# KiCad board PC110.kicad_pcb (continued)
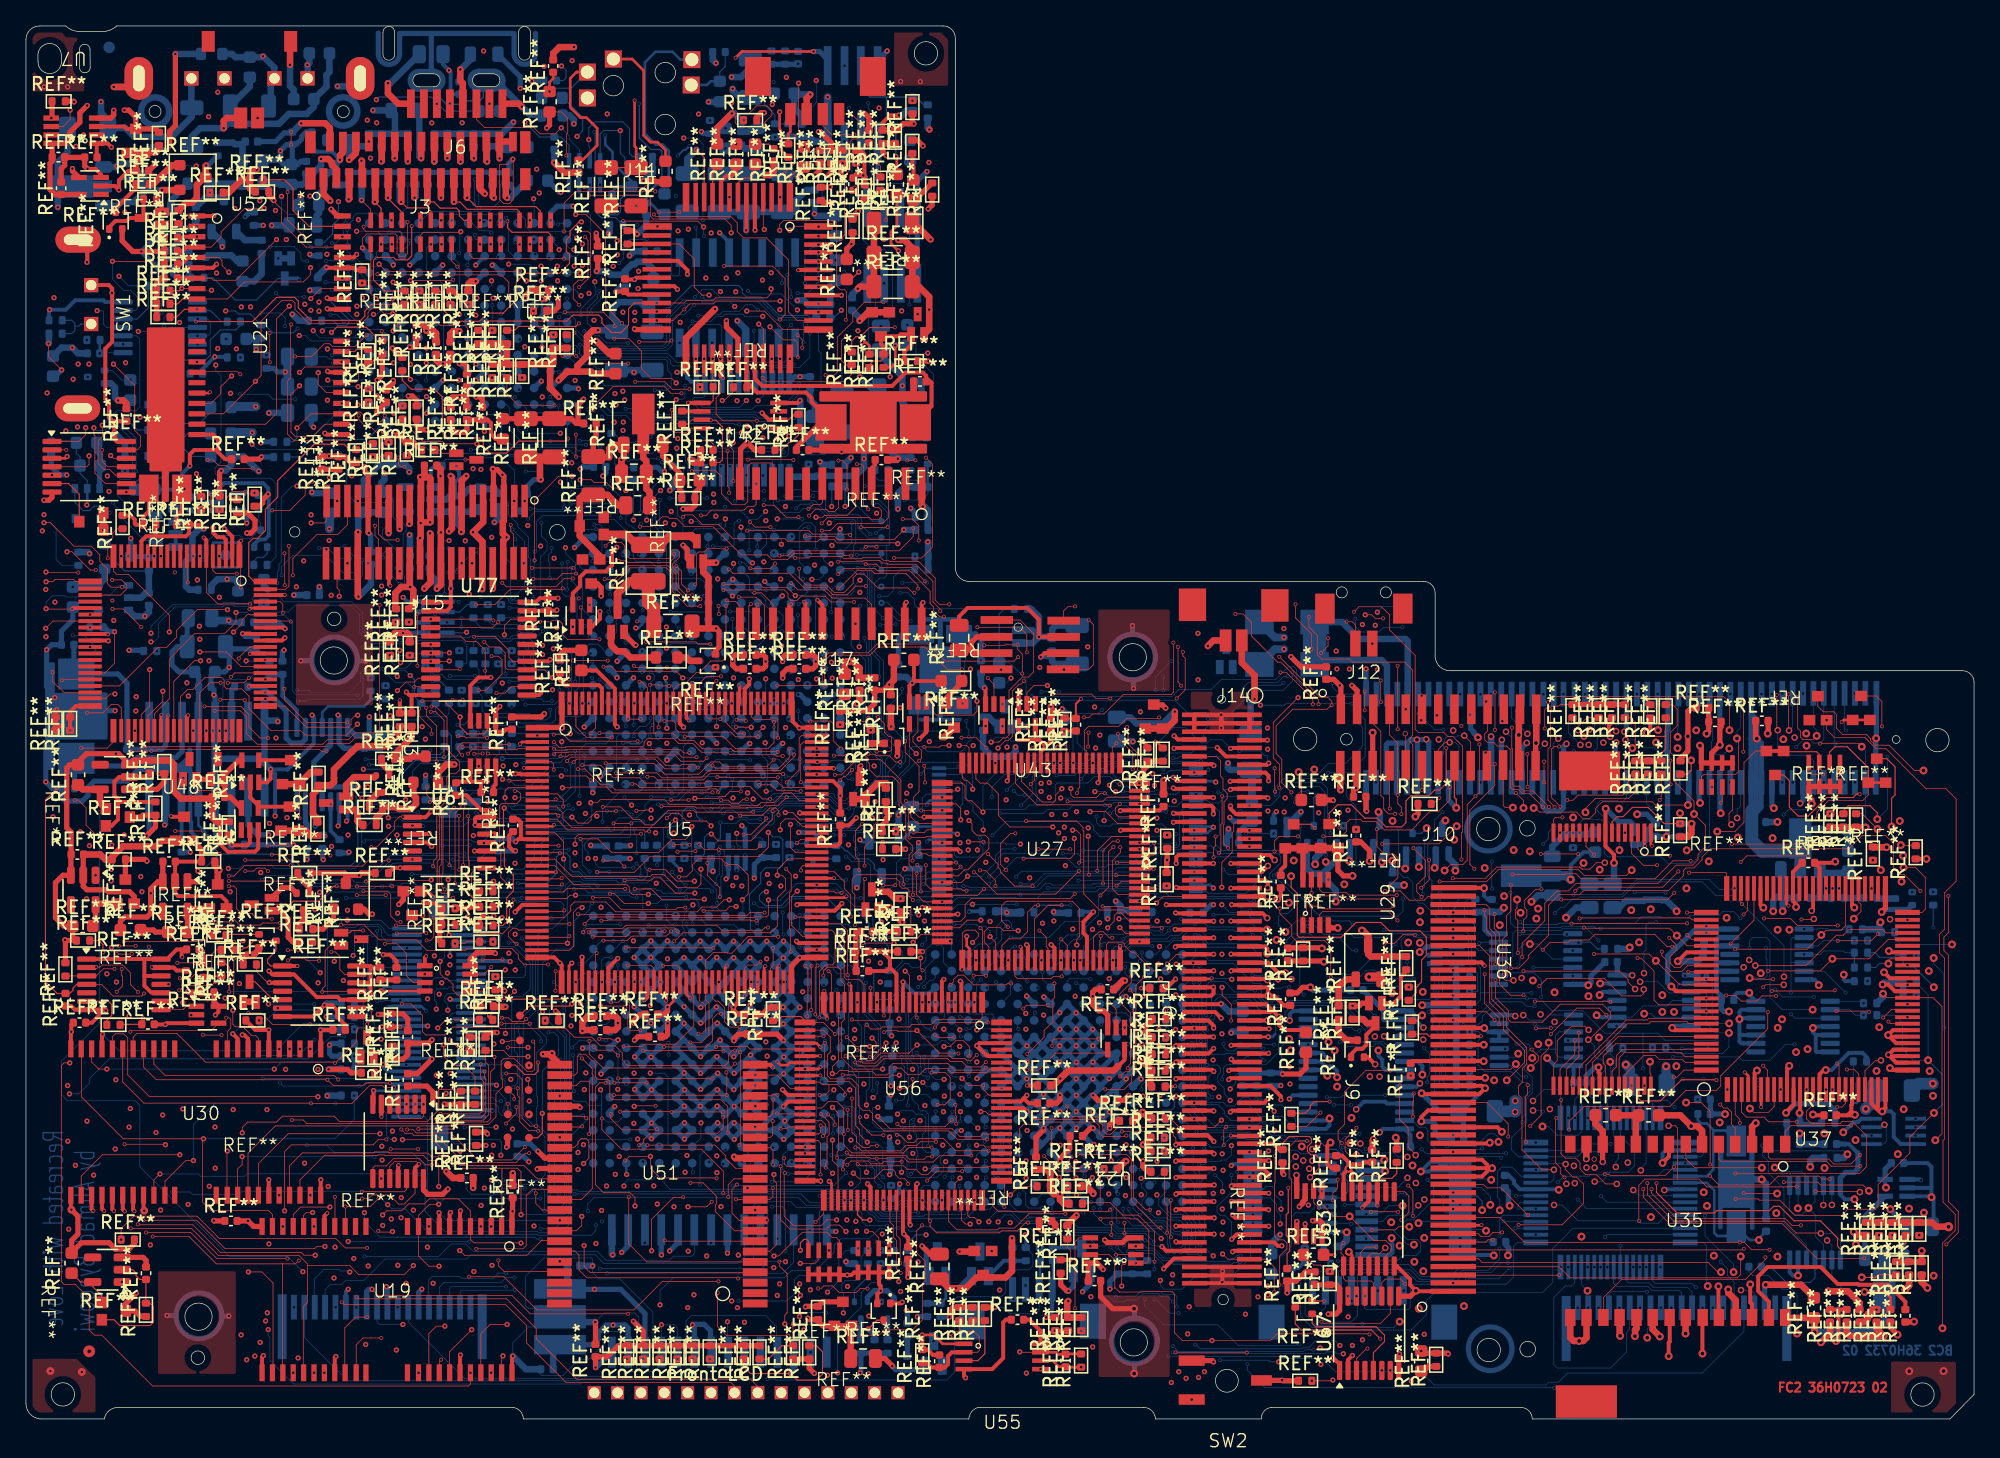
[diagram p0: board, top side]
## Placement (name value [footprint] x y rotation side) (continued)
REF**#309  -  [R_0402_1005Metric]  9.97 47.04 90 top
REF**#310  -  [R_0402_1005Metric]  31.53 86.41 90 top
REF**#311  -  [R_0402_1005Metric]  69.04 4.83 90 top
REF**#312  -  [R-array]  31.56 91.37 0 top
REF**#313  -  [C_0603_1608Metric]  4.37 37.99 0 top
REF**#314  -  [R_0402_1005Metric]  21.58 37.75 0 top
REF**#315  -  [R_0402_1005Metric]  66.48 45.28 0 top
REF**#316  -  [R_0402_1005Metric]  145.83 14.65 90 top
REF**#317  -  [C_1206_3216Metric]  43.69 72.69 90 top
REF**#318  -  [sso-8]  32.47 33.98 0 top
REF**#319  -  [C_0805_2012Metric]  64.48 4.66 0 top
REF**#320  -  [sso-8]  98.88 15.81 270 top
REF**#321  -  [soic-8-small]  55.03 77.3 180 top
REF**#322  -  [SOT-89-3]  47.55 77.01 90 top
REF**#323  -  [R_0402_1005Metric]  28.23 28.23 90 top
REF**#324  DNP  [C_0402_1005Metric]  52.44 73.71 0 top  (not fitted)
REF**#325  -  [C_0402_1005Metric]  80.07 4.5 90 top
REF**#326  -  [C_0402_1005Metric]  78.39 24.33 180 top
REF**#327  -  [C_0402_1005Metric]  39.76 87 0 top
REF**#328  -  [3D]  73.68 12.22 180 top
REF**#329  -  [R_0402_1005Metric]  28.98 81.29 90 top
REF**#330  -  [R_0402_1005Metric]  35.46 39.47 0 top
REF**#331  -  [3D]  138.07 54.58 0 top
REF**#332  -  [SOT-416]  21.34 39.87 270 top
REF**#333  -  [R_0402_1005Metric]  84.75 22.97 0 top
REF**#334  -  [R_0402_1005Metric]  47.54 5.13 90 top
REF**#335  -  [R-array]  130.22 49.55 0 top
REF**#336  -  [C_0402_1005Metric]  16.33 73.97 0 top
REF**#337  -  [R_0402_1005Metric]  3.04 34.64 90 top
REF**#338  -  [3D]  43.78 68.86 90 top
REF**#339  -  [R_0402_1005Metric]  28.5 61.92 90 top
REF**#340  DNP  [R_0402_1005Metric]  40.62 83.04 90 top  (not fitted)
REF**#341  -  [SOT-416L]  14.82 50.05 0 top
REF**#342  -  [R_0402_1005Metric]  10.58 85.94 0 top
REF**#343  -  [C_0402_1005Metric]  33.97 18.57 0 top
REF**#344  -  [R_0402_1005Metric]  69.8 94.74 90 top
REF**#345  -  [R_0402_1005Metric]  32.54 39.35 0 top
REF**#346  -  [SOT-416L]  33.9 73.87 270 top
REF**#347  -  [SOT-523]  27.47 48.93 270 top
REF**#348  -  [C_0402_1005Metric]  37.52 45.74 90 top
REF**#349  -  [R_0402_1005Metric]  35.49 31.81 0 top
REF**#350  -  [3D]  100.43 44.72 0 top
REF**#351  -  [R_0402_1005Metric]  2.28 53.57 90 top
REF**#352  -  [SOT-23]  30.79 50.05 90 top
REF**#353  -  [C_0402_1005Metric]  12.85 36.18 0 top
REF**#354  -  [C_0402_1005Metric]  44.04 89.91 90 top
REF**#355  -  [R_0402_1005Metric]  146.02 11.61 90 top
REF**#356  -  [C_0603_1608Metric]  42.78 58.46 90 top
REF**#357  -  [R_0402_1005Metric]  7.44 69.11 90 top
REF**#358  -  [R_0402_1005Metric]  66.06 81.55 90 top
REF**#359  -  [R_0402_1005Metric]  144.05 11.61 90 top
REF**#360  -  [C_0402_1005Metric]  78.53 15.25 180 top
REF**#361  -  [R_0402_1005Metric]  68.28 101.09 90 top
REF**#362  -  [R_0402_1005Metric]  9.24 8.41 90 top
REF**#363  -  [C_0603_1608Metric]  98.59 29.02 90 top
REF**#364  -  [C_0402_1005Metric]  64.2 56.64 90 top
REF**#365  -  [R_0402_1005Metric]  17.61 70.85 90 top
REF**#366  -  [XTAL-1]  65.26 76.7 0 top
REF**#367  -  [C_0402_1005Metric]  76.37 7.65 0 top
REF**#368  -  [R_0402_1005Metric]  25.42 74.19 90 top
REF**#369  -  [R_0402_1005Metric]  142.74 14.65 90 top
REF**#370  DNP  [R_0402_1005Metric]  34.83 83.38 90 top  (not fitted)
REF**#371  -  [R_0603_1608Metric]  49.35 58.68 0 top
REF**#372  -  [SOT-416]  12.99 34.56 180 top
REF**#373  -  [R_0402_1005Metric]  7.15 43.12 0 top
REF**#374  -  [C_0402_1005Metric]  2.5 97.24 0 top
REF**#375  -  [C_0603_1608Metric]  59.93 97.26 90 top
REF**#376  -  [R_0402_1005Metric]  34.08 86.41 90 top
REF**#377  -  [R_0402_1005Metric]  64.61 94.58 90 top
REF**#378  -  [C_0402_1005Metric]  44.24 29.97 0 top
REF**#379  -  [C_0402_1005Metric]  59.57 58.88 0 top
REF**#380  -  [R_0402_1005Metric]  63.67 91.94 90 top
REF**#381  -  [R_0402_1005Metric]  119.12 54.55 90 top
REF**#382  -  [C_0402_1005Metric]  33.96 77.49 90 top
REF**#383  -  [C_0402_1005Metric]  14 32.88 0 top
REF**#384  DNP  [R_0402_1005Metric]  41.65 83.04 90 top  (not fitted)
REF**#385  -  [C_0402_1005Metric]  130.09 53.73 0 top
REF**#386  -  [C_0402_1005Metric]  40.61 104.26 90 top
REF**#387  -  [SOT-416]  6.91 92.35 90 top
REF**#388  -  [R_0402_1005Metric]  87.56 51.2 90 top
REF**#389  -  [C_0805_2012Metric]  71.88 60.21 90 top
REF**#390  -  [R-array]  39.19 91.37 0 top
REF**#391  -  [R_0402_1005Metric]  145.56 43.67 90 top
REF**#392  -  [C_0603_1608Metric]  63.22 88.59 90 top
REF**#393  -  [R_0402_1005Metric]  4.4 36.87 0 top
REF**#394  -  [R_0402_1005Metric]  35.4 28.91 90 top
REF**#395  -  [C_0603_1608Metric]  45.4 81.33 90 top
REF**#396  -  [R_0402_1005Metric]  11.16 89.99 0 top
REF**#397  -  [SOT-416L]  12.65 50.05 0 top
REF**#398  -  [R_0402_1005Metric]  55.01 79.5 0 top
REF**#399  -  [R_0402_1005Metric]  125.11 54.54 90 top
REF**#400  -  [R_0402_1005Metric]  62.71 54.02 90 top
REF**#401  -  [C_0402_1005Metric]  33.96 80.05 90 top
REF**#402  -  [R_0402_1005Metric]  145.05 11.61 90 top
REF**#403  -  [R_0402_1005Metric]  10.65 50.25 90 top
REF**#404  -  [R_0402_1005Metric]  65.07 52.57 90 top
REF**#405  -  [R_0402_1005Metric]  36.16 33.58 90 top
REF**#406  -  [3D]  141.4 54.59 0 top
REF**#407  -  [SOT-23]  12.84 95.67 0 top
REF**#408  -  [C_0402_1005Metric]  143.61 7.95 90 top
REF**#409  -  [R_0402_1005Metric]  87.26 29.4 0 top
REF**#410  -  [R_0402_1005Metric]  96.79 20.25 90 top
REF**#411  -  [R_0402_1005Metric]  26.35 81.91 90 top
REF**#412  -  [C_0402_1005Metric]  141.23 7.95 90 top
REF**#413  -  [R_0402_1005Metric]  46.3 5.13 90 top
REF**#414  -  [SOT-353]  13.98 31.15 0 top
REF**#415  -  [R_0402_1005Metric]  10.58 86.94 0 top
REF**#416  -  [R_0402_1005Metric]  9.57 94 0 top
REF**#417  -  [R_0402_1005Metric]  87.17 21.67 0 top
REF**#418  -  [SOT-416L]  9.72 92.6 90 top
REF**#419  -  [SOT-416]  66.07 8.26 270 top
REF**#420  -  [3D]  62.97 7.9 0 top
REF**#421  -  [R_0402_1005Metric]  61.01 8.17 90 top
REF**#422  -  [C_0402_1005Metric]  138.96 7.95 90 top
REF**#423  -  [R_0402_1005Metric]  28.8 53.88 90 top
REF**#424  -  [R_0402_1005Metric]  14.68 94.5 0 top
REF**#425  -  [R_0402_1005Metric]  80.21 14.38 90 top
REF**#426  -  [C_0603_1608Metric]  54.7 97.47 90 top
REF**#427  -  [R_0402_1005Metric]  58.71 97.75 90 top
REF**#428  -  [SOT-416L]  68.73 84.34 0 top
REF**#429  -  [R_0402_1005Metric]  25.9 88.05 90 top
REF**#430  -  [R_0402_1005Metric]  144.79 14.65 90 top
REF**#431  -  [R_0402_1005Metric]  48.8 5.13 90 top
REF**#432  -  [C_0402_1005Metric]  65.37 56.64 90 top
REF**#433  -  [R_0402_1005Metric]  73.86 8.09 90 top
REF**#434  -  [C_0402_1005Metric]  83.3 33.1 180 top
REF**#435  -  [C_1206_3216Metric]  66.79 87.26 0 top
REF**#436  -  [TSOT-23]  103.38 35.19 90 top
REF**#437  -  [C_0402_1005Metric]  32.72 77.49 90 top
REF**#438  -  [C_0603_1608Metric]  11.7 37.52 0 top
REF**#439  -  [R_0402_1005Metric]  143.78 14.65 90 top
REF**#440  -  [R_0402_1005Metric]  105.58 20.28 90 top
REF**#441  -  [C_0402_1005Metric]  96.65 41.41 90 top
REF**#442  -  [R_1206_3216Metric]  66.78 92.17 0 top
REF**#443  -  [R_0402_1005Metric]  14.91 70.6 90 top
REF**#444  -  [R_0402_1005Metric]  66 98.81 90 top
REF**#445  -  [R_0402_1005Metric]  27.41 42.07 0 top
REF**#446  -  [C_0402_1005Metric]  35.14 77.49 90 top
REF**#447  -  [R_0402_1005Metric]  122.15 54.55 90 top
REF**#448  -  [R_0402_1005Metric]  28.03 59.36 90 top
REF**#449  -  [R_0805_2012Metric]  47.12 70.41 0 top
REF**#450  -  [C_0402_1005Metric]  11.03 42.95 0 top
REF**#451  -  [Diode]  97.11 61.36 0 bottom
REF**#452  -  [SOT-353]  15.51 70.66 0 bottom
REF**#453  -  [C_0402_1005Metric]  94.79 26.15 90 bottom
REF**#454  -  [SOT-353]  109.37 35.74 0 bottom
REF**#455  -  [R_0402_1005Metric]  83.8 39.21 180 bottom
REF**#456  -  [C_0402_1005Metric]  28.8 95.59 90 bottom
REF**#457  -  [R_0402_1005Metric]  52.69 99.56 90 bottom
REF**#458  -  [C_0402_1005Metric]  133.53 46 180 bottom
REF**#459  -  [R_0402_1005Metric]  68.97 71.82 180 bottom
REF**#460  -  [C_0603_1608Metric]  22.6 105.24 180 bottom
REF**#461  -  [R_0402_1005Metric]  30.77 58.43 90 bottom
REF**#462  -  [R_0402_1005Metric]  80.12 53.31 90 bottom
REF**#463  -  [R_0402_1005Metric]  61.95 85.37 90 bottom
REF**#464  -  [C_0603_1608Metric]  53.88 98.69 90 bottom
REF**#465  -  [C_0402_1005Metric]  13.78 56.42 180 bottom
REF**#466  -  [R_0402_1005Metric]  35.39 58.7 90 bottom
REF**#467  -  [Diode]  97.11 58.09 0 bottom
REF**#468  -  [C_0603_1608Metric]  17.24 104.17 90 bottom
REF**#469  -  [R_0402_1005Metric]  30.45 55.65 90 bottom
REF**#470  -  [C_0402_1005Metric]  40.13 3.83 180 bottom
REF**#471  TSOT-23  [TSOT-23#2]  73.48 11.9 180 bottom
REF**#472  -  [R_0402_1005Metric]  62.58 71.87 180 bottom
REF**#473  -  [C_0402_1005Metric]  13.12 80.56 180 bottom
REF**#474  -  [R_0402_1005Metric]  31.55 55.65 90 bottom
REF**#475  -  [C_0402_1005Metric]  34.5 98.56 90 bottom
REF**#476  -  [R_0402_1005Metric]  141.66 14.69 90 bottom
REF**#477  -  [C_0402_1005Metric]  47.77 97.27 180 bottom
REF**#478  -  [R_0402_1005Metric]  18.75 57.89 90 bottom
REF**#479  -  [L_0603_1608Metric]  48.33 87.1 90 bottom
REF**#480  -  [R_0805_2012Metric]  31.21 105.17 180 bottom
REF**#481  -  [R_0402_1005Metric]  16.58 56.43 180 bottom
REF**#482  -  [R_0402_1005Metric]  13.02 70.54 90 bottom
REF**#483  -  [C_0402_1005Metric]  45.66 43.68 90 bottom
REF**#484  -  [L_0603_1608Metric]  46.65 94.2 90 bottom
REF**#485  -  [R_0402_1005Metric]  111.64 39.55 90 bottom
REF**#486  -  [R_0603_1608Metric]  14.3 105.19 180 bottom
REF**#487  -  [R_0402_1005Metric]  37.41 55.65 90 bottom
REF**#488  -  [SOT-89-3]  136.67 44.29 90 bottom
REF**#489  -  [R_0402_1005Metric]  5.2 83.15 180 bottom
REF**#490  -  [R_0402_1005Metric]  67.89 6.87 90 bottom
REF**#491  -  [XTAL-5]  131.74 18.02 180 bottom
REF**#492  -  [R_0402_1005Metric]  10.26 80.34 180 bottom
REF**#493  -  [R_0603_1608Metric]  13.28 95.2 180 bottom
REF**#494  -  [R_0402_1005Metric]  66.86 12.47 90 bottom
REF**#495  -  [L_0603_1608Metric]  37.88 98.01 180 bottom
REF**#496  -  [C_0402_1005Metric]  22.48 87.46 270 bottom
REF**#497  -  [R_0402_1005Metric]  13.76 63.9 180 bottom
REF**#498  -  [R_0402_1005Metric]  67.89 4.31 90 bottom
REF**#499  DNP  [R_0402_1005Metric]  125.79 28.62 180 bottom
REF**#500  -  [R_0402_1005Metric]  122.09 36.22 180 bottom
REF**#501  -  [R_0402_1005Metric]  98.5 12.64 90 bottom
REF**#502  SOT-23  [SOT-23#2]  33.42 47.57 0 bottom
REF**#503  DNP  [C_0402_1005Metric]  47.78 93.23 90 bottom
REF**#504  -  [C_0402_1005Metric]  60.28 73.09 90 bottom
REF**#505  -  [C_0402_1005Metric]  35.9 95.54 270 bottom
REF**#506  -  [R_0402_1005Metric]  65.36 5.58 90 bottom
REF**#507  -  [C_0402_1005Metric]  60.4 79.84 270 bottom
REF**#508  -  [C_0603_1608Metric]  62.37 88.53 90 bottom
REF**#509  -  [C_0402_1005Metric]  113.91 18.29 270 bottom
REF**#510  -  [R_0402_1005Metric]  141.34 35.93 180 bottom
REF**#511  -  [R_0402_1005Metric]  47.32 73.33 180 bottom
REF**#512  -  [C_0603_1608Metric]  26.03 70.65 90 bottom
REF**#513  -  [R_0402_1005Metric]  84.06 11.69 90 bottom
REF**#514  -  [R_0402_1005Metric]  77.01 12.7 90 bottom
REF**#515  -  [R_0402_1005Metric]  55.08 98.69 90 bottom
REF**#516  -  [C_0402_1005Metric]  136.12 21.18 180 bottom
REF**#517  -  [C_0603_1608Metric]  16.19 83.23 180 bottom
REF**#518  -  [C_0402_1005Metric]  21.58 96.43 90 bottom
REF**#519  -  [R_0402_1005Metric]  69.42 8.4 90 bottom
REF**#520  -  [C_0402_1005Metric]  80.78 39 180 bottom
REF**#521  -  [R_0402_1005Metric]  67.21 45.23 90 bottom
REF**#522  -  [R_0402_1005Metric]  66.64 17.49 90 bottom
REF**#523  -  [R_0402_1005Metric]  18.52 81.47 270 bottom
REF**#524  -  [SOT-416L]  10.78 67.65 270 bottom
REF**#525  -  [C_0402_1005Metric]  35.53 98.56 90 bottom
REF**#526  -  [SOT-416]  10.78 89.37 90 bottom
REF**#527  DNP  [R_0402_1005Metric]  24.79 30.98 180 bottom  (not fitted)
REF**#528  -  [R_0402_1005Metric]  62.58 73.53 180 bottom
REF**#529  -  [C_0402_1005Metric]  65.9 77.11 180 bottom
REF**#530  -  [C_0402_1005Metric]  79.04 59.66 270 bottom
REF**#531  -  [R_0402_1005Metric]  36.59 62.25 90 bottom
REF**#532  -  [TSOT-23]  64.96 43.16 90 bottom
REF**#533  -  [C_0402_1005Metric]  105.27 41.61 90 bottom
REF**#534  -  [R_0402_1005Metric]  58.71 99.3 90 bottom
REF**#535  -  [R_0402_1005Metric]  64.31 5.58 90 bottom
REF**#536  -  [R_0805_2012Metric]  21.06 77.53 180 bottom
REF**#537  -  [R_0402_1005Metric]  9.93 87.32 180 bottom
REF**#538  -  [R_0402_1005Metric]  90.16 39 180 bottom
REF**#539  -  [R_0402_1005Metric]  50.72 43.7 90 bottom
REF**#540  -  [C_0402_1005Metric]  32.99 95.59 90 bottom
REF**#541  -  [R_0402_1005Metric]  66.47 23.6 90 bottom
REF**#542  -  [C_1206_3216Metric]  48.22 82.3 90 bottom
REF**#543  -  [R_0402_1005Metric]  21.65 44.48 90 bottom
REF**#544  -  [C_0402_1005Metric]  28.41 98.56 90 bottom
REF**#545  -  [R_0402_1005Metric]  24.79 24.92 180 bottom
REF**#546  DNP  [R_0402_1005Metric]  141.34 36.87 180 bottom
REF**#547  -  [L_0603_1608Metric]  24.03 98.55 180 bottom
REF**#548  -  [R_0402_1005Metric]  24.79 26.94 180 bottom
REF**#549  -  [R_0402_1005Metric]  69.46 100.76 90 bottom
REF**#550  -  [C_0805_2012Metric]  145.9 14.81 180 bottom
REF**#551  -  [R_0402_1005Metric]  62.42 43.68 90 bottom
REF**#552  -  [R_0402_1005Metric]  57.77 43.77 90 bottom
REF**#553  -  [C_0603_1608Metric]  120.87 44.46 270 bottom
REF**#554  -  [R_0402_1005Metric]  110.68 27.82 180 bottom
REF**#555  -  [R_0402_1005Metric]  64.84 12.47 90 bottom
REF**#556  -  [C_0402_1005Metric]  122.09 35.21 0 bottom
REF**#557  -  [D_0603_1608Metric]  9.16 71.62 180 bottom
REF**#558  -  [R_0402_1005Metric]  60.87 85.37 270 bottom
REF**#559  -  [R_0402_1005Metric]  33.39 52.32 90 bottom
REF**#560  -  [R_0402_1005Metric]  13.21 87.94 180 bottom
REF**#561  -  [C_0603_1608Metric]  3.61 63.34 270 bottom
REF**#562  -  [R_0402_1005Metric]  68.98 65.47 180 bottom
REF**#563  -  [R_0402_1005Metric]  58.81 43.77 90 bottom
REF**#564  -  [R_0402_1005Metric]  110.68 28.83 180 bottom
REF**#565  -  [C_1206_3216Metric]  13.89 59.52 180 bottom
REF**#566  -  [R_0402_1005Metric]  145.09 33.61 180 bottom
REF**#567  -  [SOT-416L]  10.47 76.16 270 bottom
REF**#568  -  [C_0603_1608Metric]  93.71 30.62 270 bottom
REF**#569  -  [R_0402_1005Metric]  7.63 73.57 90 bottom
REF**#570  -  [SOT-416L]  10.46 74.16 270 bottom
REF**#571  DNP  [R_0805_2012Metric]  122.21 40.31 90 bottom
REF**#572  -  [C_0402_1005Metric]  26.57 66.34 270 bottom
REF**#573  -  [R_0402_1005Metric]  1.95 74.86 270 bottom
REF**#574  -  [R_0402_1005Metric]  18.06 65.81 180 bottom
REF**#575  -  [C_0402_1005Metric]  7.78 51.13 90 bottom
REF**#576  -  [L_0603_1608Metric]  49.18 93.62 90 bottom
REF**#577  -  [R_0402_1005Metric]  79.1 12.7 90 bottom
REF**#578  -  [R_0402_1005Metric]  30.78 48.22 90 bottom
REF**#579  -  [R_0402_1005Metric]  110.68 29.84 180 bottom
REF**#580  -  [C_0402_1005Metric]  36.39 44.25 90 bottom
REF**#581  DNP  [C_0402_1005Metric]  129.25 24.63 180 bottom
REF**#582  -  [R_0402_1005Metric]  49.85 72.87 90 bottom
REF**#583  -  [R_0402_1005Metric]  17.55 92.49 270 bottom
REF**#584  -  [R_0402_1005Metric]  142.05 32.04 180 bottom
REF**#585  -  [R_0402_1005Metric]  37.42 52.32 90 bottom
REF**#586  -  [R_0402_1005Metric]  19.59 74.13 180 bottom
REF**#587  -  [C_0402_1005Metric]  123.85 44.74 90 bottom
REF**#588  -  [C_0402_1005Metric]  47.77 96.26 180 bottom
REF**#589  -  [SOT-416L]  19.98 88.69 0 bottom
REF**#590  -  [R_1206_3216Metric_Pad1.30x1.75mm_HandSolder]  4.75 99.49 180 bottom
REF**#591  -  [R_0402_1005Metric]  4.04 66.29 270 bottom
REF**#592  -  [D_0603_1608Metric]  15.02 74.18 180 bottom
REF**#593  DNP  [R_0402_1005Metric]  145.09 35.71 180 bottom
REF**#594  -  [SOT-23]  9.91 96.82 90 bottom
REF**#595  -  [R_0402_1005Metric]  68.76 42.91 90 bottom
REF**#596  -  [C_0402_1005Metric]  112.91 39.55 90 bottom
REF**#597  DNP  [C_0402_1005Metric]  45.14 93.91 90 bottom
REF**#598  -  [C_0603_1608Metric]  20.44 95.9 90 bottom
REF**#599  -  [R_0402_1005Metric]  52.76 43.7 90 bottom
REF**#600  -  [C_0402_1005Metric]  13.08 92.89 270 bottom
REF**#601  -  [C_0402_1005Metric]  37.2 95.56 270 bottom
REF**#602  -  [SOT-523]  66.38 8.38 270 bottom
REF**#603  TSOT-23  [TSOT-23#2]  70.2 11.92 180 bottom
REF**#604  -  [C_0603_1608Metric]  94.43 46.83 90 bottom
REF**#605  -  [SOT-523]  64.31 8.38 270 bottom
REF**#606  DNP  [R_0402_1005Metric]  33.05 70.62 90 bottom  (not fitted)
REF**#607  -  [TSOT-23]  15.25 92.82 90 bottom
REF**#608  -  [R_0402_1005Metric]  110.68 32.94 180 bottom
REF**#609  -  [R_0402_1005Metric]  24.79 28.93 180 bottom
REF**#610  -  [R_0402_1005Metric]  77.13 39.04 180 bottom
REF**#611  -  [R_0402_1005Metric]  22.85 44.48 90 bottom
REF**#612  -  [SOT-416L]  10.77 69.6 270 bottom
REF**#613  -  [SOT-416]  18.08 67.84 90 bottom
REF**#614  -  [C_0402_1005Metric]  26.07 52.17 90 bottom
REF**#615  -  [SOT-23]  7.06 66.46 0 bottom
REF**#616  -  [R_0402_1005Metric]  68.98 68.52 180 bottom
REF**#617  -  [R_0805_2012Metric]  120.43 40.32 90 bottom
REF**#618  -  [C_0603_1608Metric]  74.96 57.5 90 bottom
REF**#619  -  [R_0402_1005Metric]  66.74 27.46 90 bottom
REF**#620  DNP  [R_0402_1005Metric]  141.34 34.79 180 bottom
REF**#621  -  [D_0603_1608Metric]  17.47 96.99 0 bottom
REF**#622  -  [TSOP-5_1.65x3.05mm_P0.95mm]  6.73 63.29 180 bottom
REF**#623  -  [C_0603_1608Metric]  2.08 81.13 270 bottom
REF**#624  -  [R_0402_1005Metric]  11.99 44.2 270 bottom
REF**#625  -  [R_0402_1005Metric]  2.29 84.67 180 bottom
REF**#626  -  [R_0402_1005Metric]  57.42 104.91 90 bottom
REF**#627  -  [R_0402_1005Metric]  19.75 57.89 90 bottom
REF**#628  -  [R_0402_1005Metric]  68.98 66.45 180 bottom
REF**#629  -  [R_0402_1005Metric]  31.82 58.43 90 bottom
REF**#630  -  [SOT-416]  101.47 45.06 90 bottom
REF**#631  -  [C_0603_1608Metric]  140.35 42.99 90 bottom
REF**#632  -  [C_0402_1005Metric]  24.85 95.59 90 bottom
REF**#633  -  [R_0402_1005Metric]  136.13 22.81 180 bottom
REF**#634  -  [R_0402_1005Metric]  97.53 11.13 90 bottom
REF**#635  -  [R_0402_1005Metric]  49.72 43.7 90 bottom
REF**#636  -  [R-array]  43.05 95.96 180 bottom
REF**#637  -  [TSOP-5_1.65x3.05mm_P0.95mm]  4.72 70.54 270 bottom
REF**#638  -  [C_0603_1608Metric]  67.89 83.54 90 bottom
REF**#639  DNP  [R_0402_1005Metric]  24.79 30.02 180 bottom  (not fitted)
REF**#640  -  [C_0603_1608Metric]  21.4 101.71 180 bottom
REF**#641  -  [SOT-23]  17.33 63.78 180 bottom
REF**#642  -  [C_0402_1005Metric]  33.38 102.58 270 bottom
REF**#643  -  [C_0402_1005Metric]  106.16 20.98 180 bottom
REF**#644  -  [C_0402_1005Metric]  17.71 59.82 90 bottom
REF**#645  -  [C_0402_1005Metric]  27.37 98.56 90 bottom
REF**#646  -  [C_0402_1005Metric]  9.47 63.17 90 bottom
REF**#647  -  [R_0402_1005Metric]  37.41 58.7 90 bottom
REF**#648  -  [R_0402_1005Metric]  47.32 72.36 180 bottom
REF**#649  -  [C_0402_1005Metric]  20.51 98.69 90 bottom
REF**#650  -  [D_0603_1608Metric]  15.02 75.95 180 bottom
REF**#651  -  [R_0402_1005Metric]  122.49 28.57 180 bottom
REF**#652  -  [R_0402_1005Metric]  141.26 27.55 180 bottom
REF**#653  -  [C_0603_1608Metric]  4.94 73.47 180 bottom
REF**#654  -  [C_0402_1005Metric]  110.26 21.66 180 bottom
REF**#655  -  [R_0402_1005Metric]  146.9 40.11 90 bottom
REF**#656  -  [C_0402_1005Metric]  138.98 21.18 180 bottom
REF**#657  -  [SOT-416]  5.41 80.3 180 bottom
REF**#658  -  [C_0402_1005Metric]  22.01 98.7 90 bottom
REF**#659  -  [L_0805_2012Metric]  21.33 92.02 180 bottom
REF**#660  -  [C_0402_1005Metric]  33.99 95.59 90 bottom
REF**#661  -  [C_0402_1005Metric]  46.13 87.7 90 bottom
REF**#662  -  [C_0402_1005Metric]  65.91 76.15 180 bottom
REF**#663  -  [R_0402_1005Metric]  78.1 12.7 90 bottom
REF**#664  -  [R_0402_1005Metric]  141.34 33.74 180 bottom
REF**#665  -  [R_0805_2012Metric]  65.85 83.3 270 bottom
REF**#666  -  [R_0805_2012Metric]  21.06 81.86 180 bottom
REF**#667  -  [C_0402_1005Metric]  22.12 63.49 180 bottom
REF**#668  -  [R_0402_1005Metric]  110.68 31.95 180 bottom
REF**#669  -  [C_1206_3216Metric]  50.94 94.49 90 bottom
REF**#670  -  [C_0402_1005Metric]  119.69 25.93 180 bottom
REF**#671  -  [R_0402_1005Metric]  96.61 46.1 180 bottom
REF**#672  -  [L_0603_1608Metric]  40.51 101.81 180 bottom
REF**#673  -  [R_0402_1005Metric]  74.17 39.12 180 bottom
REF**#674  -  [R_0402_1005Metric]  68.82 75.66 180 bottom
REF**#675  -  [SOT-416L]  75.34 54.11 180 bottom
REF**#676  -  [R_0402_1005Metric]  110.68 34.05 180 bottom
REF**#677  -  [D_0603_1608Metric]  15.02 77.97 180 bottom
REF**#678  -  [C_0402_1005Metric]  29.58 66.04 270 bottom
REF**#679  -  [R_1206_3216Metric]  58.25 94.48 90 bottom
REF**#680  -  [L_0603_1608Metric]  53.44 102.3 90 bottom
REF**#681  -  [R_0402_1005Metric]  58.47 104.91 90 bottom
REF**#682  -  [C_0402_1005Metric]  93.71 26.15 270 bottom
REF**#683  -  [R_0402_1005Metric]  34.44 52.32 90 bottom
REF**#684  -  [R_0402_1005Metric]  86.36 11.69 90 bottom
REF**#685  -  [R_0402_1005Metric]  51.77 43.7 270 bottom
REF**#686  -  [R_0402_1005Metric]  138.82 22.81 180 bottom
REF**#687  -  [C_0603_1608Metric]  68.1 97.78 90 bottom
REF**#688  -  [C_0402_1005Metric]  125.57 45.38 90 bottom
REF**#689  -  [C_0603_1608Metric]  56.42 98.69 90 bottom
REF**#690  -  [L_0402_1005Metric]  17.37 98.44 180 bottom
REF**#691  -  [C_0603_1608Metric]  23.38 70.57 90 bottom
REF**#692  -  [SOT-416]  100.48 12.64 270 bottom
REF**#693  -  [SOT-416L]  11.12 92.48 180 bottom
REF**#694  -  [R_0402_1005Metric]  22.55 90.16 270 bottom
REF**#695  -  [C_0402_1005Metric]  129.24 37.13 270 bottom
REF**#696  -  [C_0402_1005Metric]  26.4 98.56 90 bottom
REF**#697  -  [C_0402_1005Metric]  25.86 95.59 90 bottom
REF**#698  -  [D_0603_1608Metric]  4.67 75.23 0 bottom
REF**#699  -  [R_0402_1005Metric]  66.37 5.58 90 bottom
REF**#700  3D  [SOT-416L]  92.4 58.69 180 bottom
REF**#701  -  [C_0402_1005Metric]  13.82 44.31 90 bottom
REF**#702  -  [C_0603_1608Metric]  21.78 93.54 180 bottom
REF**#703  -  [R_0402_1005Metric]  142.09 40.15 180 bottom
REF**#704  -  [C_0603_1608Metric]  62.36 91.94 90 bottom
REF**#705  -  [R_0402_1005Metric]  65.9 73.12 180 bottom
REF**#706  -  [SOT-416]  104.28 45.06 90 bottom
REF**#707  -  [R_0402_1005Metric]  5.42 61.01 180 bottom
REF**#708  -  [R_0402_1005Metric]  110.68 26.79 180 bottom
REF**#709  -  [R_0402_1005Metric]  35.45 52.32 90 bottom
REF**#710  -  [R_0402_1005Metric]  66.52 31.03 90 bottom
REF**#711  -  [C_0402_1005Metric]  113.5 13.64 180 bottom
REF**#712  -  [R_0402_1005Metric]  45.09 75.43 90 bottom
REF**#713  -  [R_0402_1005Metric]  34.47 58.7 90 bottom
REF**#714  -  [L_0805_2012Metric]  29.2 100.84 180 bottom
REF**#715  -  [R_0402_1005Metric]  16.01 81.8 180 bottom
REF**#716  -  [R_0402_1005Metric]  138.99 20.12 180 bottom
REF**#717  -  [R_0402_1005Metric]  32.23 52.32 90 bottom
REF**#718  -  [C_0402_1005Metric]  44.68 43.68 90 bottom
REF**#719  -  [C_1206_3216Metric]  45.49 82.31 90 bottom
REF**#720  -  [R_0402_1005Metric]  22.27 84.63 180 bottom
REF**#721  -  [SOT-416]  38.14 70.63 270 bottom
REF**#722  -  [C_0402_1005Metric]  42.17 11.81 180 bottom
REF**#723  -  [R_0402_1005Metric]  67.89 12.47 90 bottom
REF**#724  -  [C_0402_1005Metric]  31.08 66.04 270 bottom
REF**#725  -  [C_0402_1005Metric]  44.19 73.37 180 bottom
REF**#726  DNP  [R_0402_1005Metric]  143.43 37.51 180 bottom
REF**#727  -  [R_0402_1005Metric]  68.82 76.64 180 bottom
REF**#728  DNP  [C_0402_1005Metric]  3.26 48.6 180 bottom  (not fitted)
REF**#729  -  [R_0402_1005Metric]  139.55 40.15 180 bottom
REF**#730  -  [C_1206_3216Metric]  12.77 99.57 90 bottom
REF**#731  -  [C_0402_1005Metric]  32.48 98.56 90 bottom
REF**#732  -  [SOT-23-5]  30.35 70.86 180 bottom
REF**#733  -  [SOT-89-3]  143.14 10.48 270 bottom
REF**#734  -  [C_0402_1005Metric]  59.74 99.3 90 bottom
REF**#735  -  [C_0402_1005Metric]  66.59 20.34 90 bottom
REF**#736  -  [C_0402_1005Metric]  60.75 94.23 90 bottom
REF**#737  -  [C_0402_1005Metric]  33.49 98.56 90 bottom
REF**#738  -  [C_1206_3216Metric]  55.64 94.48 90 bottom
REF**#739  -  [R_0805_2012Metric]  21.06 79.56 180 bottom
REF**#740  -  [R_0805_2012Metric]  60.77 76.35 270 bottom
REF**#741  -  [R_0402_1005Metric]  18.11 83.8 270 bottom
REF**#742  -  [C_0402_1005Metric]  27.21 52.17 90 bottom
REF**#743  -  [C_0402_1005Metric]  17.07 61.39 180 bottom
REF**#744  -  [L_0805_2012Metric]  35.29 105.17 180 bottom
REF**#745  -  [R_0402_1005Metric]  36.44 70.82 90 bottom
REF**#746  -  [SOT-523]  60.62 43.69 270 bottom
REF**#747  -  [R_0402_1005Metric]  24.15 44.13 90 bottom
REF**#748  -  [C_0603_1608Metric]  8.03 79.29 270 bottom
REF**#749  -  [SOT-416L]  10.47 78.11 270 bottom
REF**#750  -  [R_0402_1005Metric]  27.7 56 90 bottom
REF**#751  -  [L_0603_1608Metric]  17.47 95.2 180 bottom
REF**#752  -  [R_0402_1005Metric]  16.01 84.56 180 bottom
REF**#753  DNP  [R_0402_1005Metric]  85.22 11.69 90 bottom
REF**#754  -  [C_0402_1005Metric]  127.43 45.38 90 bottom
REF**#755  -  [C_1206_3216Metric]  17.21 101.18 180 bottom
REF**#756  -  [R_0402_1005Metric]  14.76 97.85 90 bottom
REF**#757  DNP  [SOT-416]  144.64 40.1 180 bottom
REF**#758  -  [C_0402_1005Metric]  102.51 33.05 180 bottom
REF**#759  -  [D_0603_1608Metric]  16.68 88.45 90 bottom
REF**#760  DNP  [R_0402_1005Metric]  63.81 12.47 90 bottom  (not fitted)
REF**#761  -  [C_0603_1608Metric]  13.77 57.57 180 bottom
REF**#762  -  [R_0402_1005Metric]  34.63 55.65 90 bottom
REF**#763  -  [C_0402_1005Metric]  73.56 57.95 90 bottom
REF**#764  -  [R_0402_1005Metric]  23.88 95.58 90 bottom
REF**#765  -  [C_0402_1005Metric]  92.94 44.41 180 bottom
REF**#766  -  [SOT-89-3]  4.03 94.98 180 bottom
REF**#767  -  [R_0402_1005Metric]  47.66 43.7 90 bottom
REF**#768  -  [R_0402_1005Metric]  18.15 90.33 270 bottom
REF**#769  -  [R_0402_1005Metric]  48.6 43.7 90 bottom
REF**#770  -  [R_0402_1005Metric]  76.64 62.43 0 bottom
REF**#771  -  [R_0402_1005Metric]  35.57 62.25 90 bottom
REF**#772  -  [C_0402_1005Metric]  40.7 98.31 270 bottom
REF**#773  -  [C_0402_1005Metric]  30.02 95.59 90 bottom
REF**#774  -  [SOT-416]  68.8 73.6 0 bottom
REF**#775  -  [C_0603_1608Metric]  27.36 70.65 90 bottom
REF**#776  -  [C_0402_1005Metric]  40.38 103.14 180 bottom
REF**#777  -  [L_0603_1608Metric]  39.41 95.43 180 bottom
REF**#778  -  [R_0402_1005Metric]  110.68 30.97 180 bottom
REF**#779  -  [R_0402_1005Metric]  24.79 32.06 180 bottom
REF**#780  -  [R_0402_1005Metric]  34.47 62.25 90 bottom
REF**#781  -  [C_0402_1005Metric]  30.95 95.59 90 bottom
REF**#782  -  [C_0402_1005Metric]  59.47 104.91 90 bottom
REF**#783  DNP  [R_0402_1005Metric]  26.54 56.61 90 bottom  (not fitted)
REF**#784  -  [C_0402_1005Metric]  29.41 98.56 90 bottom
REF**#785  TSOT-23  [TSOT-23#2]  69.92 5 180 bottom
REF**#786  -  [C_0402_1005Metric]  134.03 14.95 270 bottom
REF**#787  -  [C_1206_3216Metric]  62.85 77.54 270 bottom
REF**#788  DNP  [C_0402_1005Metric]  53.38 105.34 180 bottom
REF**#789  -  [R_0402_1005Metric]  33.38 58.7 90 bottom
REF**#790  -  [R_0402_1005Metric]  96.61 45.11 180 bottom
REF**#791  -  [R_0402_1005Metric]  32.57 73.44 180 bottom
REF**#792  -  [C_0402_1005Metric]  31.95 95.59 90 bottom
REF**#793  -  [SOT-353]  144.05 17.81 180 bottom
REF**#794  -  [R_0402_1005Metric]  70.45 8.4 90 bottom
REF**#795  -  [R-array]  31.43 61.76 90 bottom
REF**#796  -  [R_0402_1005Metric]  17.93 70.67 90 bottom
REF**#797  -  [R_0402_1005Metric]  33.56 55.65 90 bottom
REF**#798  -  [L_0603_1608Metric]  35.69 100.79 180 bottom
REF**#799  -  [R_0402_1005Metric]  142.05 31.12 180 bottom
REF**#800  -  [R_0402_1005Metric]  136.93 40.15 180 bottom
REF**#801  -  [R_0603_1608Metric]  40.51 100.45 180 bottom
REF**#802  -  [SOT-416]  106.8 44.48 90 bottom
REF**#803  -  [C_0402_1005Metric]  27.87 95.59 90 bottom
REF**#804  -  [C_0603_1608Metric]  95.92 11.96 270 bottom
REF**#805  -  [C_0402_1005Metric]  63.63 85.92 90 bottom
REF**#806  -  [R_0402_1005Metric]  65.84 12.47 90 bottom
REF**#807  -  [SOT-353]  54.75 43.69 90 bottom
REF**#808  DNP  [C_0402_1005Metric]  3.21 59.66 0 bottom  (not fitted)
REF**#809  -  [C_0402_1005Metric]  68.98 69.51 180 bottom
REF**#810  -  [R_0402_1005Metric]  9.57 59.18 180 bottom
REF**#811  -  [C_0402_1005Metric]  129.26 23.5 180 bottom
REF**#812  -  [R_0402_1005Metric]  86.22 39.08 180 bottom
REF**#813  -  [Debug-6]  65.84 66.04 180 bottom
REF**#814  -  [R_0402_1005Metric]  19.59 75.3 180 bottom
REF**#815  DNP  [R_0402_1005Metric]  140.94 37.73 180 bottom
REF**#816  -  [R_0402_1005Metric]  110.68 25.72 180 bottom
REF**#817  -  [R_0402_1005Metric]  36.45 52.32 90 bottom
REF**#818  -  [R_0805_2012Metric]  13.41 61.71 180 bottom
REF**#819  -  [C_0402_1005Metric]  133.19 11.73 180 bottom
REF**#820  DNP  [R_0402_1005Metric]  24.79 27.96 180 bottom  (not fitted)
REF**#821  TSOT-23  [TSOT-23#2]  81.32 12.14 180 bottom
REF**#822  -  [C_1206_3216Metric]  53.4 94.48 90 bottom
REF**#823  SN74LVC2G32  [SSOP-8_2.95x2.8mm_P0.65mm]  143.85 22.16 180 bottom
REF**#824  -  [C_0402_1005Metric]  5.2 82.12 180 bottom
REF**#825  -  [R_0402_1005Metric]  73.72 53.59 90 bottom
REF**#826  -  [C_0402_1005Metric]  31.46 98.56 90 bottom
REF**#827  -  [C_0402_1005Metric]  48.13 89.98 180 bottom
REF**#828  -  [R_0402_1005Metric]  145.09 32.63 180 bottom
REF**#829  -  [SOT-416L]  75.76 60.24 270 bottom
REF**#830  -  [C_0402_1005Metric]  131.07 32.28 180 bottom
REF**#831  -  [C_0402_1005Metric]  67.2 57.66 90 bottom
REF**#832  -  [C_0402_1005Metric]  144.16 19.72 180 bottom
REF**#833  -  [SOT-416]  99.19 45.06 90 bottom
REF**#834  -  [C_1206_3216Metric]  55.79 103.32 90 bottom
REF**#835  -  [R_0402_1005Metric]  75.98 12.7 90 bottom
REF**#836  -  [R_0402_1005Metric]  66.42 34.05 90 bottom
REF**#837  -  [C_0603_1608Metric]  58.41 102.14 180 bottom
REF**#838  -  [R_0402_1005Metric]  95.88 26.15 270 bottom
REF**#839  -  [C_1206_3216Metric]  80.97 59.66 270 bottom
REF**#840  -  [R_0402_1005Metric]  16.31 44.25 180 bottom
REF**#841  -  [R_0402_1005Metric]  2.28 83.64 180 bottom
REF**#842  -  [R_0402_1005Metric]  45.47 92.02 0 bottom
REF**#843  -  [SOT-416]  109.09 44.49 90 bottom
REF**#844  -  [R_0402_1005Metric]  68.34 101.36 90 bottom
REF**#845  -  [D_0603_1608Metric]  34.98 70.87 270 bottom
REF**#846  -  [R_0402_1005Metric]  57.68 99.3 90 bottom
REF**#847  -  [C_0603_1608Metric]  68.34 46.42 90 bottom
REF**#848  -  [R_0402_1005Metric]  119.16 44.53 90 bottom
REF**#849  -  [C_0402_1005Metric]  26.88 95.59 90 bottom
REF**#850  -  [C_0402_1005Metric]  37.85 20.72 90 bottom
REF**#851  -  [R_0402_1005Metric]  9.47 65.86 90 bottom
REF**#852  -  [R_0402_1005Metric]  36.38 58.7 90 bottom
REF**#853  TPS2201  [TSSOP-30_6.1x9.7mm_P0.65mm]  102.47 26.9 180 bottom
REF**#854  -  [R_0402_1005Metric]  7.72 96.22 270 bottom
REF**#855  -  [R_0402_1005Metric]  56.71 43.77 90 bottom
REF**#856  -  [R_0805_2012Metric]  84.03 53.16 90 bottom
REF**#857  -  [SOT-416]  13.18 89.5 0 bottom
REF**#858  -  [C_1206_3216Metric]  67.18 79.3 180 bottom
REF**#859  SN74LV126  [TSSOP-14_4.4x5mm_P0.65mm#2]  137.8 15.12 270 bottom
REF**#860  -  [R_0402_1005Metric]  32.58 55.65 90 bottom
REF**#861  -  [R_0402_1005Metric]  35.63 55.65 90 bottom
SW1  -  [Switch]  4.07 84.13 0 top
SW2  -  [LidSwitch]  92.59 2.97 0 top
U1  486SX-33  [BGA-256]  53.23 29.24 180 bottom
U2  VL82C420  [BGA-256]  53.2 58.44 180 bottom
U3  -  [sso-8]  35.23 52.05 270 top
U5  -  [Bowman]  50.36 44.92 0 top
U6  28F200BX  [Flash-20]  80.13 46.05 180 bottom
U7  -  [sso-8]  3.7 99.25 180 top
U8  SN74LVT244B  [TSSOP-20_4.4x6.5mm_P0.65mm]  97.37 17.36 180 bottom
U8#2  AV9154A  [SOIC-16W]  13.93 50.92 270 bottom
U9  SN74LVT125  [TSSOP-14_4.4x5mm_P0.65mm]  22.82 50.43 90 bottom
